# Altium PCB 4G_V4.0_5X4.PcbDoc (part 1 of 4) (continued)
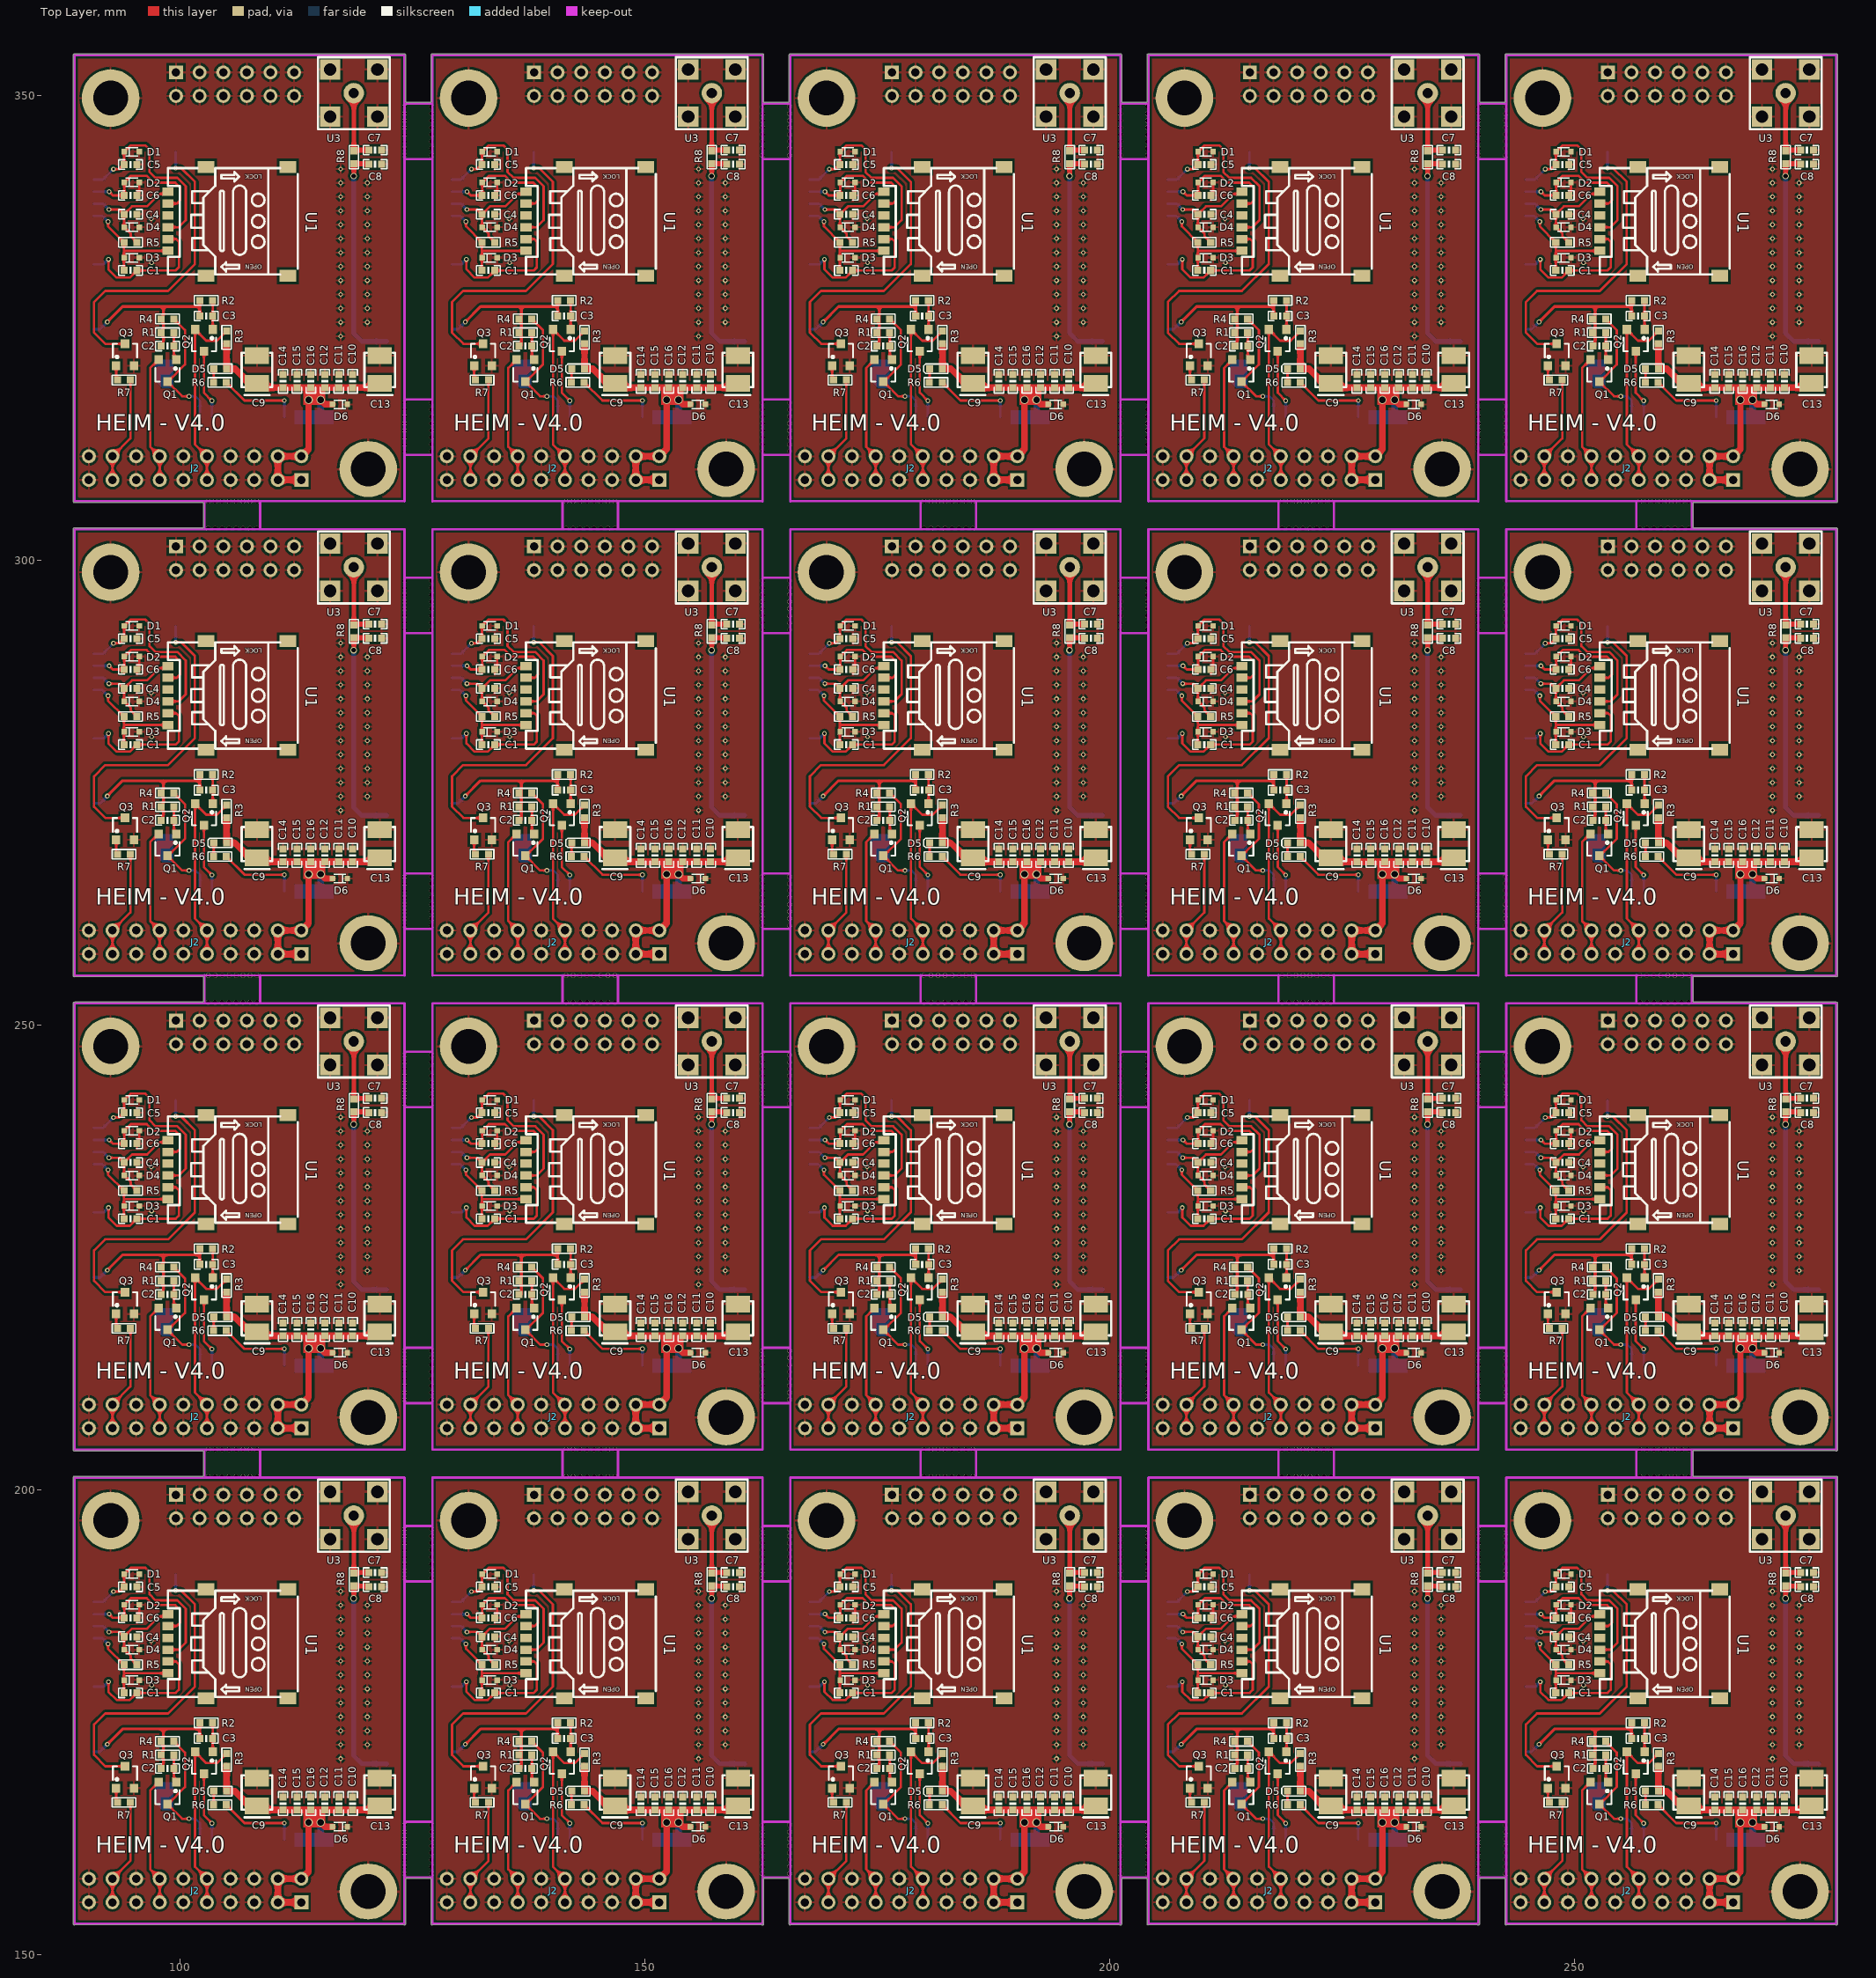
[diagram p0: Top Layer view]
## Components (designator, comment, footprint, x,y, rotation, side; value= is the part's Value field where it differs from the comment) (continued)
C13 "100UF/6.3V" CASE-B_3528 160.018,216.969 r270 top
C13 "100UF/6.3V" CASE-B_3528 198.518,216.969 r270 top
C13 "100UF/6.3V" CASE-B_3528 237.018,216.969 r270 top
C13 "100UF/6.3V" CASE-B_3528 275.518,216.969 r270 top
C13 "100UF/6.3V" CASE-B_3528 121.518,267.969 r270 top
C13 "100UF/6.3V" CASE-B_3528 160.018,267.969 r270 top
C13 "100UF/6.3V" CASE-B_3528 198.518,267.969 r270 top
C13 "100UF/6.3V" CASE-B_3528 237.018,267.969 r270 top
C13 "100UF/6.3V" CASE-B_3528 275.518,267.969 r270 top
C13 "100UF/6.3V" CASE-B_3528 121.518,318.969 r270 top
C13 "100UF/6.3V" CASE-B_3528 160.018,318.969 r270 top
C13 "100UF/6.3V" CASE-B_3528 198.518,318.969 r270 top
C13 "100UF/6.3V" CASE-B_3528 237.018,318.969 r270 top
C13 "100UF/6.3V" CASE-B_3528 275.518,318.969 r270 top
C14 "100NF/50V" 0603_C 111.104,166.223 r90 top
C14 "100NF/50V" 0603_C 149.604,166.223 r90 top
C14 "100NF/50V" 0603_C 188.104,166.223 r90 top
C14 "100NF/50V" 0603_C 226.604,166.223 r90 top
C14 "100NF/50V" 0603_C 265.104,166.223 r90 top
C14 "100NF/50V" 0603_C 111.104,217.223 r90 top
C14 "100NF/50V" 0603_C 149.604,217.223 r90 top
C14 "100NF/50V" 0603_C 188.104,217.223 r90 top
C14 "100NF/50V" 0603_C 226.604,217.223 r90 top
C14 "100NF/50V" 0603_C 265.104,217.223 r90 top
C14 "100NF/50V" 0603_C 111.104,268.223 r90 top
C14 "100NF/50V" 0603_C 149.604,268.223 r90 top
C14 "100NF/50V" 0603_C 188.104,268.223 r90 top
C14 "100NF/50V" 0603_C 226.604,268.223 r90 top
C14 "100NF/50V" 0603_C 265.104,268.223 r90 top
C14 "100NF/50V" 0603_C 111.104,319.223 r90 top
C14 "100NF/50V" 0603_C 149.604,319.223 r90 top
C14 "100NF/50V" 0603_C 188.104,319.223 r90 top
C14 "100NF/50V" 0603_C 226.604,319.223 r90 top
C14 "100NF/50V" 0603_C 265.104,319.223 r90 top
C15 "33PF/50V" 0603_C 112.602,166.223 r90 top
C15 "33PF/50V" 0603_C 151.102,166.223 r90 top
C15 "33PF/50V" 0603_C 189.602,166.223 r90 top
C15 "33PF/50V" 0603_C 228.102,166.223 r90 top
C15 "33PF/50V" 0603_C 266.602,166.223 r90 top
C15 "33PF/50V" 0603_C 112.602,217.223 r90 top
C15 "33PF/50V" 0603_C 151.102,217.223 r90 top
C15 "33PF/50V" 0603_C 189.602,217.223 r90 top
C15 "33PF/50V" 0603_C 228.102,217.223 r90 top
C15 "33PF/50V" 0603_C 266.602,217.223 r90 top
C15 "33PF/50V" 0603_C 112.602,268.223 r90 top
C15 "33PF/50V" 0603_C 151.102,268.223 r90 top
C15 "33PF/50V" 0603_C 189.602,268.223 r90 top
C15 "33PF/50V" 0603_C 228.102,268.223 r90 top
C15 "33PF/50V" 0603_C 266.602,268.223 r90 top
C15 "33PF/50V" 0603_C 112.602,319.223 r90 top
C15 "33PF/50V" 0603_C 151.102,319.223 r90 top
C15 "33PF/50V" 0603_C 189.602,319.223 r90 top
C15 "33PF/50V" 0603_C 228.102,319.223 r90 top
C15 "33PF/50V" 0603_C 266.602,319.223 r90 top
C16 "10PF/50V" 0603_C 114.101,166.223 r90 top
C16 "10PF/50V" 0603_C 152.601,166.223 r90 top
C16 "10PF/50V" 0603_C 191.101,166.223 r90 top
C16 "10PF/50V" 0603_C 229.601,166.223 r90 top
C16 "10PF/50V" 0603_C 268.101,166.223 r90 top
C16 "10PF/50V" 0603_C 114.101,217.223 r90 top
C16 "10PF/50V" 0603_C 152.601,217.223 r90 top
C16 "10PF/50V" 0603_C 191.101,217.223 r90 top
C16 "10PF/50V" 0603_C 229.601,217.223 r90 top
C16 "10PF/50V" 0603_C 268.101,217.223 r90 top
C16 "10PF/50V" 0603_C 114.101,268.223 r90 top
C16 "10PF/50V" 0603_C 152.601,268.223 r90 top
C16 "10PF/50V" 0603_C 191.101,268.223 r90 top
C16 "10PF/50V" 0603_C 229.601,268.223 r90 top
C16 "10PF/50V" 0603_C 268.101,268.223 r90 top
C16 "10PF/50V" 0603_C 114.101,319.223 r90 top
C16 "10PF/50V" 0603_C 152.601,319.223 r90 top
C16 "10PF/50V" 0603_C 191.101,319.223 r90 top
C16 "10PF/50V" 0603_C 229.601,319.223 r90 top
C16 "10PF/50V" 0603_C 268.101,319.223 r90 top
D1 "PESDNC5D5VB" SOD-523 94.84,190.912 r0 top
D1 "PESDNC5D5VB" SOD-523 133.34,190.912 r0 top
D1 "PESDNC5D5VB" SOD-523 171.84,190.912 r0 top
D1 "PESDNC5D5VB" SOD-523 210.34,190.912 r0 top
D1 "PESDNC5D5VB" SOD-523 248.84,190.912 r0 top
D1 "PESDNC5D5VB" SOD-523 94.84,241.912 r0 top
D1 "PESDNC5D5VB" SOD-523 133.34,241.912 r0 top
D1 "PESDNC5D5VB" SOD-523 171.84,241.912 r0 top
D1 "PESDNC5D5VB" SOD-523 210.34,241.912 r0 top
D1 "PESDNC5D5VB" SOD-523 248.84,241.912 r0 top
D1 "PESDNC5D5VB" SOD-523 94.84,292.912 r0 top
D1 "PESDNC5D5VB" SOD-523 133.34,292.912 r0 top
D1 "PESDNC5D5VB" SOD-523 171.84,292.912 r0 top
D1 "PESDNC5D5VB" SOD-523 210.34,292.912 r0 top
D1 "PESDNC5D5VB" SOD-523 248.84,292.912 r0 top
D1 "PESDNC5D5VB" SOD-523 94.84,343.912 r0 top
D1 "PESDNC5D5VB" SOD-523 133.34,343.912 r0 top
D1 "PESDNC5D5VB" SOD-523 171.84,343.912 r0 top
D1 "PESDNC5D5VB" SOD-523 210.34,343.912 r0 top
D1 "PESDNC5D5VB" SOD-523 248.84,343.912 r0 top
D2 "PESDNC5D5VB" SOD-523 94.84,187.61 r0 top
D2 "PESDNC5D5VB" SOD-523 133.34,187.61 r0 top
D2 "PESDNC5D5VB" SOD-523 171.84,187.61 r0 top
D2 "PESDNC5D5VB" SOD-523 210.34,187.61 r0 top
D2 "PESDNC5D5VB" SOD-523 248.84,187.61 r0 top
D2 "PESDNC5D5VB" SOD-523 94.84,238.61 r0 top
D2 "PESDNC5D5VB" SOD-523 133.34,238.61 r0 top
D2 "PESDNC5D5VB" SOD-523 171.84,238.61 r0 top
D2 "PESDNC5D5VB" SOD-523 210.34,238.61 r0 top
D2 "PESDNC5D5VB" SOD-523 248.84,238.61 r0 top
D2 "PESDNC5D5VB" SOD-523 94.84,289.61 r0 top
D2 "PESDNC5D5VB" SOD-523 133.34,289.61 r0 top
D2 "PESDNC5D5VB" SOD-523 171.84,289.61 r0 top
D2 "PESDNC5D5VB" SOD-523 210.34,289.61 r0 top
D2 "PESDNC5D5VB" SOD-523 248.84,289.61 r0 top
D2 "PESDNC5D5VB" SOD-523 94.84,340.61 r0 top
D2 "PESDNC5D5VB" SOD-523 133.34,340.61 r0 top
D2 "PESDNC5D5VB" SOD-523 171.84,340.61 r0 top
D2 "PESDNC5D5VB" SOD-523 210.34,340.61 r0 top
D2 "PESDNC5D5VB" SOD-523 248.84,340.61 r0 top
D3 "PESDNC5D5VB" SOD-523 94.84,179.507 r0 top
D3 "PESDNC5D5VB" SOD-523 133.34,179.507 r0 top
D3 "PESDNC5D5VB" SOD-523 171.84,179.507 r0 top
D3 "PESDNC5D5VB" SOD-523 210.34,179.507 r0 top
D3 "PESDNC5D5VB" SOD-523 248.84,179.507 r0 top
D3 "PESDNC5D5VB" SOD-523 94.84,230.507 r0 top
D3 "PESDNC5D5VB" SOD-523 133.34,230.507 r0 top
D3 "PESDNC5D5VB" SOD-523 171.84,230.507 r0 top
D3 "PESDNC5D5VB" SOD-523 210.34,230.507 r0 top
D3 "PESDNC5D5VB" SOD-523 248.84,230.507 r0 top
D3 "PESDNC5D5VB" SOD-523 94.84,281.507 r0 top
D3 "PESDNC5D5VB" SOD-523 133.34,281.507 r0 top
D3 "PESDNC5D5VB" SOD-523 171.84,281.507 r0 top
D3 "PESDNC5D5VB" SOD-523 210.34,281.507 r0 top
D3 "PESDNC5D5VB" SOD-523 248.84,281.507 r0 top
D3 "PESDNC5D5VB" SOD-523 94.84,332.507 r0 top
D3 "PESDNC5D5VB" SOD-523 133.34,332.507 r0 top
D3 "PESDNC5D5VB" SOD-523 171.84,332.507 r0 top
D3 "PESDNC5D5VB" SOD-523 210.34,332.507 r0 top
D3 "PESDNC5D5VB" SOD-523 248.84,332.507 r0 top
D4 "PESDNC5D5VB" SOD-523 94.84,182.784 r0 top
D4 "PESDNC5D5VB" SOD-523 133.34,182.784 r0 top
D4 "PESDNC5D5VB" SOD-523 171.84,182.784 r0 top
D4 "PESDNC5D5VB" SOD-523 210.34,182.784 r0 top
D4 "PESDNC5D5VB" SOD-523 248.84,182.784 r0 top
D4 "PESDNC5D5VB" SOD-523 94.84,233.784 r0 top
D4 "PESDNC5D5VB" SOD-523 133.34,233.784 r0 top
D4 "PESDNC5D5VB" SOD-523 171.84,233.784 r0 top
D4 "PESDNC5D5VB" SOD-523 210.34,233.784 r0 top
D4 "PESDNC5D5VB" SOD-523 248.84,233.784 r0 top
D4 "PESDNC5D5VB" SOD-523 94.84,284.784 r0 top
D4 "PESDNC5D5VB" SOD-523 133.34,284.784 r0 top
D4 "PESDNC5D5VB" SOD-523 171.84,284.784 r0 top
D4 "PESDNC5D5VB" SOD-523 210.34,284.784 r0 top
D4 "PESDNC5D5VB" SOD-523 248.84,284.784 r0 top
D4 "PESDNC5D5VB" SOD-523 94.84,335.784 r0 top
D4 "PESDNC5D5VB" SOD-523 133.34,335.784 r0 top
D4 "PESDNC5D5VB" SOD-523 171.84,335.784 r0 top
D4 "PESDNC5D5VB" SOD-523 210.34,335.784 r0 top
D4 "PESDNC5D5VB" SOD-523 248.84,335.784 r0 top
D5 "绿色" 0603_D 104.347,167.569 r180 top
D5 "绿色" 0603_D 142.847,167.569 r180 top
D5 "绿色" 0603_D 181.347,167.569 r180 top
D5 "绿色" 0603_D 219.847,167.569 r180 top
D5 "绿色" 0603_D 258.347,167.569 r180 top
D5 "绿色" 0603_D 104.347,218.569 r180 top
D5 "绿色" 0603_D 142.847,218.569 r180 top
D5 "绿色" 0603_D 181.347,218.569 r180 top
D5 "绿色" 0603_D 219.847,218.569 r180 top
D5 "绿色" 0603_D 258.347,218.569 r180 top
D5 "绿色" 0603_D 104.347,269.569 r180 top
D5 "绿色" 0603_D 142.847,269.569 r180 top
D5 "绿色" 0603_D 181.347,269.569 r180 top
D5 "绿色" 0603_D 219.847,269.569 r180 top
D5 "绿色" 0603_D 258.347,269.569 r180 top
D5 "绿色" 0603_D 104.347,320.569 r180 top
D5 "绿色" 0603_D 142.847,320.569 r180 top
D5 "绿色" 0603_D 181.347,320.569 r180 top
D5 "绿色" 0603_D 219.847,320.569 r180 top
D5 "绿色" 0603_D 258.347,320.569 r180 top
D6 "PESDNC5D5VB" SOD-523 117.225,163.734 r180 top
D6 "PESDNC5D5VB" SOD-523 155.725,163.734 r180 top
D6 "PESDNC5D5VB" SOD-523 194.225,163.734 r180 top
D6 "PESDNC5D5VB" SOD-523 232.725,163.734 r180 top
D6 "PESDNC5D5VB" SOD-523 271.225,163.734 r180 top
D6 "PESDNC5D5VB" SOD-523 117.225,214.734 r180 top
D6 "PESDNC5D5VB" SOD-523 155.725,214.734 r180 top
D6 "PESDNC5D5VB" SOD-523 194.225,214.734 r180 top
D6 "PESDNC5D5VB" SOD-523 232.725,214.734 r180 top
D6 "PESDNC5D5VB" SOD-523 271.225,214.734 r180 top
D6 "PESDNC5D5VB" SOD-523 117.225,265.734 r180 top
D6 "PESDNC5D5VB" SOD-523 155.725,265.734 r180 top
D6 "PESDNC5D5VB" SOD-523 194.225,265.734 r180 top
D6 "PESDNC5D5VB" SOD-523 232.725,265.734 r180 top
D6 "PESDNC5D5VB" SOD-523 271.225,265.734 r180 top
D6 "PESDNC5D5VB" SOD-523 117.225,316.734 r180 top
D6 "PESDNC5D5VB" SOD-523 155.725,316.734 r180 top
D6 "PESDNC5D5VB" SOD-523 194.225,316.734 r180 top
D6 "PESDNC5D5VB" SOD-523 232.725,316.734 r180 top
D6 "PESDNC5D5VB" SOD-523 271.225,316.734 r180 top
J1 "Header 6X2A" HDR2X6_CEN 99.597,199.446 r0 bottom locked
J1 "Header 6X2A" HDR2X6_CEN 138.097,199.446 r0 bottom locked
J1 "Header 6X2A" HDR2X6_CEN 176.597,199.446 r0 bottom locked
J1 "Header 6X2A" HDR2X6_CEN 215.097,199.446 r0 bottom locked
J1 "Header 6X2A" HDR2X6_CEN 253.597,199.446 r0 bottom locked
J1 "Header 6X2A" HDR2X6_CEN 99.597,250.446 r0 bottom locked
J1 "Header 6X2A" HDR2X6_CEN 138.097,250.446 r0 bottom locked
J1 "Header 6X2A" HDR2X6_CEN 176.597,250.446 r0 bottom locked
J1 "Header 6X2A" HDR2X6_CEN 215.097,250.446 r0 bottom locked
J1 "Header 6X2A" HDR2X6_CEN 253.597,250.446 r0 bottom locked
J1 "Header 6X2A" HDR2X6_CEN 99.597,301.446 r0 bottom locked
J1 "Header 6X2A" HDR2X6_CEN 138.097,301.446 r0 bottom locked
J1 "Header 6X2A" HDR2X6_CEN 176.597,301.446 r0 bottom locked
J1 "Header 6X2A" HDR2X6_CEN 215.097,301.446 r0 bottom locked
J1 "Header 6X2A" HDR2X6_CEN 253.597,301.446 r0 bottom locked
J1 "Header 6X2A" HDR2X6_CEN 99.597,352.446 r0 bottom locked
J1 "Header 6X2A" HDR2X6_CEN 138.097,352.446 r0 bottom locked
J1 "Header 6X2A" HDR2X6_CEN 176.597,352.446 r0 bottom locked
J1 "Header 6X2A" HDR2X6_CEN 215.097,352.446 r0 bottom locked
J1 "Header 6X2A" HDR2X6_CEN 253.597,352.446 r0 bottom locked
J2 "Header 10X2A" HDR2X10_CEN 113.085,155.606 r180 top locked
J2 "Header 10X2A" HDR2X10_CEN 151.585,155.606 r180 top locked
J2 "Header 10X2A" HDR2X10_CEN 190.085,155.606 r180 top locked
J2 "Header 10X2A" HDR2X10_CEN 228.585,155.606 r180 top locked
J2 "Header 10X2A" HDR2X10_CEN 267.085,155.606 r180 top locked
J2 "Header 10X2A" HDR2X10_CEN 113.085,206.606 r180 top locked
J2 "Header 10X2A" HDR2X10_CEN 151.585,206.606 r180 top locked
J2 "Header 10X2A" HDR2X10_CEN 190.085,206.606 r180 top locked
J2 "Header 10X2A" HDR2X10_CEN 228.585,206.606 r180 top locked
J2 "Header 10X2A" HDR2X10_CEN 267.085,206.606 r180 top locked
J2 "Header 10X2A" HDR2X10_CEN 113.085,257.606 r180 top locked
J2 "Header 10X2A" HDR2X10_CEN 151.585,257.606 r180 top locked
J2 "Header 10X2A" HDR2X10_CEN 190.085,257.606 r180 top locked
J2 "Header 10X2A" HDR2X10_CEN 228.585,257.606 r180 top locked
J2 "Header 10X2A" HDR2X10_CEN 267.085,257.606 r180 top locked
J2 "Header 10X2A" HDR2X10_CEN 113.085,308.606 r180 top locked
J2 "Header 10X2A" HDR2X10_CEN 151.585,308.606 r180 top locked
J2 "Header 10X2A" HDR2X10_CEN 190.085,308.606 r180 top locked
J2 "Header 10X2A" HDR2X10_CEN 228.585,308.606 r180 top locked
J2 "Header 10X2A" HDR2X10_CEN 267.085,308.606 r180 top locked
Q1 "BC817-40" SOT-23-3 98.673,167.36 r180 top
Q1 "BC817-40" SOT-23-3 137.173,167.36 r180 top
Q1 "BC817-40" SOT-23-3 175.673,167.36 r180 top
Q1 "BC817-40" SOT-23-3 214.173,167.36 r180 top
Q1 "BC817-40" SOT-23-3 252.673,167.36 r180 top
Q1 "BC817-40" SOT-23-3 98.673,218.36 r180 top
Q1 "BC817-40" SOT-23-3 137.173,218.36 r180 top
Q1 "BC817-40" SOT-23-3 175.673,218.36 r180 top
Q1 "BC817-40" SOT-23-3 214.173,218.36 r180 top
Q1 "BC817-40" SOT-23-3 252.673,218.36 r180 top
Q1 "BC817-40" SOT-23-3 98.673,269.36 r180 top
Q1 "BC817-40" SOT-23-3 137.173,269.36 r180 top
Q1 "BC817-40" SOT-23-3 175.673,269.36 r180 top
Q1 "BC817-40" SOT-23-3 214.173,269.36 r180 top
Q1 "BC817-40" SOT-23-3 252.673,269.36 r180 top
Q1 "BC817-40" SOT-23-3 98.673,320.36 r180 top
Q1 "BC817-40" SOT-23-3 137.173,320.36 r180 top
Q1 "BC817-40" SOT-23-3 175.673,320.36 r180 top
Q1 "BC817-40" SOT-23-3 214.173,320.36 r180 top
Q1 "BC817-40" SOT-23-3 252.673,320.36 r180 top
Q2 "BC817-40" SOT-23-3 102.595,170.617 r180 top
Q2 "BC817-40" SOT-23-3 141.095,170.617 r180 top
Q2 "BC817-40" SOT-23-3 179.595,170.617 r180 top
Q2 "BC817-40" SOT-23-3 218.095,170.617 r180 top
Q2 "BC817-40" SOT-23-3 256.595,170.617 r180 top
Q2 "BC817-40" SOT-23-3 102.595,221.617 r180 top
Q2 "BC817-40" SOT-23-3 141.095,221.617 r180 top
Q2 "BC817-40" SOT-23-3 179.595,221.617 r180 top
Q2 "BC817-40" SOT-23-3 218.095,221.617 r180 top
Q2 "BC817-40" SOT-23-3 256.595,221.617 r180 top
Q2 "BC817-40" SOT-23-3 102.595,272.617 r180 top
Q2 "BC817-40" SOT-23-3 141.095,272.617 r180 top
Q2 "BC817-40" SOT-23-3 179.595,272.617 r180 top
Q2 "BC817-40" SOT-23-3 218.095,272.617 r180 top
Q2 "BC817-40" SOT-23-3 256.595,272.617 r180 top
Q2 "BC817-40" SOT-23-3 102.595,323.617 r180 top
Q2 "BC817-40" SOT-23-3 141.095,323.617 r180 top
Q2 "BC817-40" SOT-23-3 179.595,323.617 r180 top
Q2 "BC817-40" SOT-23-3 218.095,323.617 r180 top
Q2 "BC817-40" SOT-23-3 256.595,323.617 r180 top
Q3 "BC817-40" SOT-23-3 94.111,169.068 r0 top
Q3 "BC817-40" SOT-23-3 132.611,169.068 r0 top
Q3 "BC817-40" SOT-23-3 171.111,169.068 r0 top
Q3 "BC817-40" SOT-23-3 209.611,169.068 r0 top
Q3 "BC817-40" SOT-23-3 248.111,169.068 r0 top
Q3 "BC817-40" SOT-23-3 94.111,220.068 r0 top
Q3 "BC817-40" SOT-23-3 132.611,220.068 r0 top
Q3 "BC817-40" SOT-23-3 171.111,220.068 r0 top
Q3 "BC817-40" SOT-23-3 209.611,220.068 r0 top
Q3 "BC817-40" SOT-23-3 248.111,220.068 r0 top
Q3 "BC817-40" SOT-23-3 94.111,271.068 r0 top
Q3 "BC817-40" SOT-23-3 132.611,271.068 r0 top
Q3 "BC817-40" SOT-23-3 171.111,271.068 r0 top
Q3 "BC817-40" SOT-23-3 209.611,271.068 r0 top
Q3 "BC817-40" SOT-23-3 248.111,271.068 r0 top
Q3 "BC817-40" SOT-23-3 94.111,322.068 r0 top
Q3 "BC817-40" SOT-23-3 132.611,322.068 r0 top
Q3 "BC817-40" SOT-23-3 171.111,322.068 r0 top
Q3 "BC817-40" SOT-23-3 209.611,322.068 r0 top
Q3 "BC817-40" SOT-23-3 248.111,322.068 r0 top
R1 "10KΩ/1%" 0603_R 98.673,171.449 r180 top
R1 "10KΩ/1%" 0603_R 137.173,171.449 r180 top
R1 "10KΩ/1%" 0603_R 175.673,171.449 r180 top
R1 "10KΩ/1%" 0603_R 214.173,171.449 r180 top
R1 "10KΩ/1%" 0603_R 252.673,171.449 r180 top
R1 "10KΩ/1%" 0603_R 98.673,222.449 r180 top
R1 "10KΩ/1%" 0603_R 137.173,222.449 r180 top
R1 "10KΩ/1%" 0603_R 175.673,222.449 r180 top
R1 "10KΩ/1%" 0603_R 214.173,222.449 r180 top
R1 "10KΩ/1%" 0603_R 252.673,222.449 r180 top
R1 "10KΩ/1%" 0603_R 98.673,273.449 r180 top
R1 "10KΩ/1%" 0603_R 137.173,273.449 r180 top
R1 "10KΩ/1%" 0603_R 175.673,273.449 r180 top
R1 "10KΩ/1%" 0603_R 214.173,273.449 r180 top
R1 "10KΩ/1%" 0603_R 252.673,273.449 r180 top
R1 "10KΩ/1%" 0603_R 98.673,324.449 r180 top
R1 "10KΩ/1%" 0603_R 137.173,324.449 r180 top
R1 "10KΩ/1%" 0603_R 175.673,324.449 r180 top
R1 "10KΩ/1%" 0603_R 214.173,324.449 r180 top
R1 "10KΩ/1%" 0603_R 252.673,324.449 r180 top
R2 "10KΩ/1%" 0603_R 102.849,174.91 r180 top
R2 "10KΩ/1%" 0603_R 141.349,174.91 r180 top
R2 "10KΩ/1%" 0603_R 179.849,174.91 r180 top
R2 "10KΩ/1%" 0603_R 218.349,174.91 r180 top
R2 "10KΩ/1%" 0603_R 256.849,174.91 r180 top
R2 "10KΩ/1%" 0603_R 102.849,225.91 r180 top
R2 "10KΩ/1%" 0603_R 141.349,225.91 r180 top
R2 "10KΩ/1%" 0603_R 179.849,225.91 r180 top
R2 "10KΩ/1%" 0603_R 218.349,225.91 r180 top
R2 "10KΩ/1%" 0603_R 256.849,225.91 r180 top
R2 "10KΩ/1%" 0603_R 102.849,276.91 r180 top
R2 "10KΩ/1%" 0603_R 141.349,276.91 r180 top
R2 "10KΩ/1%" 0603_R 179.849,276.91 r180 top
R2 "10KΩ/1%" 0603_R 218.349,276.91 r180 top
R2 "10KΩ/1%" 0603_R 256.849,276.91 r180 top
R2 "10KΩ/1%" 0603_R 102.849,327.91 r180 top
R2 "10KΩ/1%" 0603_R 141.349,327.91 r180 top
R2 "10KΩ/1%" 0603_R 179.849,327.91 r180 top
R2 "10KΩ/1%" 0603_R 218.349,327.91 r180 top
R2 "10KΩ/1%" 0603_R 256.849,327.91 r180 top
R3 "10KΩ/1%" 0603_R 105.033,170.948 r270 top
R3 "10KΩ/1%" 0603_R 143.533,170.948 r270 top
R3 "10KΩ/1%" 0603_R 182.033,170.948 r270 top
R3 "10KΩ/1%" 0603_R 220.533,170.948 r270 top
R3 "10KΩ/1%" 0603_R 259.033,170.948 r270 top
R3 "10KΩ/1%" 0603_R 105.033,221.948 r270 top
R3 "10KΩ/1%" 0603_R 143.533,221.948 r270 top
R3 "10KΩ/1%" 0603_R 182.033,221.948 r270 top
R3 "10KΩ/1%" 0603_R 220.533,221.948 r270 top
R3 "10KΩ/1%" 0603_R 259.033,221.948 r270 top
R3 "10KΩ/1%" 0603_R 105.033,272.948 r270 top
R3 "10KΩ/1%" 0603_R 143.533,272.948 r270 top
R3 "10KΩ/1%" 0603_R 182.033,272.948 r270 top
R3 "10KΩ/1%" 0603_R 220.533,272.948 r270 top
R3 "10KΩ/1%" 0603_R 259.033,272.948 r270 top
R3 "10KΩ/1%" 0603_R 105.033,323.948 r270 top
R3 "10KΩ/1%" 0603_R 143.533,323.948 r270 top
R3 "10KΩ/1%" 0603_R 182.033,323.948 r270 top
R3 "10KΩ/1%" 0603_R 220.533,323.948 r270 top
R3 "10KΩ/1%" 0603_R 259.033,323.948 r270 top
R4 "10KΩ/1%" 0603_R 98.673,172.922 r180 top
R4 "10KΩ/1%" 0603_R 137.173,172.922 r180 top
R4 "10KΩ/1%" 0603_R 175.673,172.922 r180 top
R4 "10KΩ/1%" 0603_R 214.173,172.922 r180 top
R4 "10KΩ/1%" 0603_R 252.673,172.922 r180 top
R4 "10KΩ/1%" 0603_R 98.673,223.922 r180 top
R4 "10KΩ/1%" 0603_R 137.173,223.922 r180 top
R4 "10KΩ/1%" 0603_R 175.673,223.922 r180 top
R4 "10KΩ/1%" 0603_R 214.173,223.922 r180 top
R4 "10KΩ/1%" 0603_R 252.673,223.922 r180 top
R4 "10KΩ/1%" 0603_R 98.673,274.922 r180 top
R4 "10KΩ/1%" 0603_R 137.173,274.922 r180 top
R4 "10KΩ/1%" 0603_R 175.673,274.922 r180 top
R4 "10KΩ/1%" 0603_R 214.173,274.922 r180 top
R4 "10KΩ/1%" 0603_R 252.673,274.922 r180 top
R4 "10KΩ/1%" 0603_R 98.673,325.922 r180 top
R4 "10KΩ/1%" 0603_R 137.173,325.922 r180 top
R4 "10KΩ/1%" 0603_R 175.673,325.922 r180 top
R4 "10KΩ/1%" 0603_R 214.173,325.922 r180 top
R4 "10KΩ/1%" 0603_R 252.673,325.922 r180 top
R5 "15K" 0603_R 94.695,181.158 r180 top
R5 "15K" 0603_R 133.195,181.158 r180 top
R5 "15K" 0603_R 171.695,181.158 r180 top
R5 "15K" 0603_R 210.195,181.158 r180 top
R5 "15K" 0603_R 248.695,181.158 r180 top
R5 "15K" 0603_R 94.695,232.158 r180 top
R5 "15K" 0603_R 133.195,232.158 r180 top
R5 "15K" 0603_R 171.695,232.158 r180 top
R5 "15K" 0603_R 210.195,232.158 r180 top
R5 "15K" 0603_R 248.695,232.158 r180 top
R5 "15K" 0603_R 94.695,283.158 r180 top
R5 "15K" 0603_R 133.195,283.158 r180 top
R5 "15K" 0603_R 171.695,283.158 r180 top
R5 "15K" 0603_R 210.195,283.158 r180 top
R5 "15K" 0603_R 248.695,283.158 r180 top
R5 "15K" 0603_R 94.695,334.158 r180 top
R5 "15K" 0603_R 133.195,334.158 r180 top
R5 "15K" 0603_R 171.695,334.158 r180 top
R5 "15K" 0603_R 210.195,334.158 r180 top
R5 "15K" 0603_R 248.695,334.158 r180 top
R6 "470Ω/1%" 0603_R 104.322,166.096 r180 top
R6 "470Ω/1%" 0603_R 142.822,166.096 r180 top
R6 "470Ω/1%" 0603_R 181.322,166.096 r180 top
R6 "470Ω/1%" 0603_R 219.822,166.096 r180 top
R6 "470Ω/1%" 0603_R 258.322,166.096 r180 top
R6 "470Ω/1%" 0603_R 104.322,217.096 r180 top
R6 "470Ω/1%" 0603_R 142.822,217.096 r180 top
R6 "470Ω/1%" 0603_R 181.322,217.096 r180 top
R6 "470Ω/1%" 0603_R 219.822,217.096 r180 top
R6 "470Ω/1%" 0603_R 258.322,217.096 r180 top
R6 "470Ω/1%" 0603_R 104.322,268.096 r180 top
R6 "470Ω/1%" 0603_R 142.822,268.096 r180 top
R6 "470Ω/1%" 0603_R 181.322,268.096 r180 top
R6 "470Ω/1%" 0603_R 219.822,268.096 r180 top
R6 "470Ω/1%" 0603_R 258.322,268.096 r180 top
R6 "470Ω/1%" 0603_R 104.322,319.096 r180 top
R6 "470Ω/1%" 0603_R 142.822,319.096 r180 top
R6 "470Ω/1%" 0603_R 181.322,319.096 r180 top
R6 "470Ω/1%" 0603_R 219.822,319.096 r180 top
R6 "470Ω/1%" 0603_R 258.322,319.096 r180 top
R7 "4.7KΩ/1%" 0603_R 94.009,166.35 r180 top
R7 "4.7KΩ/1%" 0603_R 132.509,166.35 r180 top
R7 "4.7KΩ/1%" 0603_R 171.009,166.35 r180 top
R7 "4.7KΩ/1%" 0603_R 209.509,166.35 r180 top
R7 "4.7KΩ/1%" 0603_R 248.009,166.35 r180 top
R7 "4.7KΩ/1%" 0603_R 94.009,217.35 r180 top
R7 "4.7KΩ/1%" 0603_R 132.509,217.35 r180 top
R7 "4.7KΩ/1%" 0603_R 171.009,217.35 r180 top
R7 "4.7KΩ/1%" 0603_R 209.509,217.35 r180 top
R7 "4.7KΩ/1%" 0603_R 248.009,217.35 r180 top
R7 "4.7KΩ/1%" 0603_R 94.009,268.35 r180 top
R7 "4.7KΩ/1%" 0603_R 132.509,268.35 r180 top
R7 "4.7KΩ/1%" 0603_R 171.009,268.35 r180 top
R7 "4.7KΩ/1%" 0603_R 209.509,268.35 r180 top
R7 "4.7KΩ/1%" 0603_R 248.009,268.35 r180 top
R7 "4.7KΩ/1%" 0603_R 94.009,319.35 r180 top
R7 "4.7KΩ/1%" 0603_R 132.509,319.35 r180 top
R7 "4.7KΩ/1%" 0603_R 171.009,319.35 r180 top
R7 "4.7KΩ/1%" 0603_R 209.509,319.35 r180 top
R7 "4.7KΩ/1%" 0603_R 248.009,319.35 r180 top
R8 "0Ω" 0603_R 118.724,190.328 r270 top
R8 "0Ω" 0603_R 157.224,190.328 r270 top
R8 "0Ω" 0603_R 195.724,190.328 r270 top
R8 "0Ω" 0603_R 234.224,190.328 r270 top
R8 "0Ω" 0603_R 272.724,190.328 r270 top
R8 "0Ω" 0603_R 118.724,241.328 r270 top
R8 "0Ω" 0603_R 157.224,241.328 r270 top
R8 "0Ω" 0603_R 195.724,241.328 r270 top
R8 "0Ω" 0603_R 234.224,241.328 r270 top
R8 "0Ω" 0603_R 272.724,241.328 r270 top
R8 "0Ω" 0603_R 118.724,292.328 r270 top
R8 "0Ω" 0603_R 157.224,292.328 r270 top
R8 "0Ω" 0603_R 195.724,292.328 r270 top
R8 "0Ω" 0603_R 234.224,292.328 r270 top
R8 "0Ω" 0603_R 272.724,292.328 r270 top
R8 "0Ω" 0603_R 118.724,343.328 r270 top
R8 "0Ω" 0603_R 157.224,343.328 r270 top
R8 "0Ω" 0603_R 195.724,343.328 r270 top
R8 "0Ω" 0603_R 234.224,343.328 r270 top
R8 "0Ω" 0603_R 272.724,343.328 r270 top
U1 "SIM卡座" SIM卡座-NANO掀盖式 105.185,183.419 r180 top
U1 "SIM卡座" SIM卡座-NANO掀盖式 143.685,183.419 r180 top
U1 "SIM卡座" SIM卡座-NANO掀盖式 182.185,183.419 r180 top
U1 "SIM卡座" SIM卡座-NANO掀盖式 220.685,183.419 r180 top
U1 "SIM卡座" SIM卡座-NANO掀盖式 259.185,183.419 r180 top
U1 "SIM卡座" SIM卡座-NANO掀盖式 105.185,234.419 r180 top
U1 "SIM卡座" SIM卡座-NANO掀盖式 143.685,234.419 r180 top
U1 "SIM卡座" SIM卡座-NANO掀盖式 182.185,234.419 r180 top
U1 "SIM卡座" SIM卡座-NANO掀盖式 220.685,234.419 r180 top
U1 "SIM卡座" SIM卡座-NANO掀盖式 259.185,234.419 r180 top
U1 "SIM卡座" SIM卡座-NANO掀盖式 105.185,285.419 r180 top
U1 "SIM卡座" SIM卡座-NANO掀盖式 143.685,285.419 r180 top
U1 "SIM卡座" SIM卡座-NANO掀盖式 182.185,285.419 r180 top
U1 "SIM卡座" SIM卡座-NANO掀盖式 220.685,285.419 r180 top
U1 "SIM卡座" SIM卡座-NANO掀盖式 259.185,285.419 r180 top
U1 "SIM卡座" SIM卡座-NANO掀盖式 105.185,336.419 r180 top
U1 "SIM卡座" SIM卡座-NANO掀盖式 143.685,336.419 r180 top
U1 "SIM卡座" SIM卡座-NANO掀盖式 182.185,336.419 r180 top
U1 "SIM卡座" SIM卡座-NANO掀盖式 220.685,336.419 r180 top
U1 "SIM卡座" SIM卡座-NANO掀盖式 259.185,336.419 r180 top
U2 "EC20 R2.0" EC20_R2.0 106.506,176.612 r0 bottom
U2 "EC20 R2.0" EC20_R2.0 145.006,176.612 r0 bottom
U2 "EC20 R2.0" EC20_R2.0 183.506,176.612 r0 bottom
U2 "EC20 R2.0" EC20_R2.0 222.006,176.612 r0 bottom
U2 "EC20 R2.0" EC20_R2.0 260.506,176.612 r0 bottom
U2 "EC20 R2.0" EC20_R2.0 106.506,227.612 r0 bottom
U2 "EC20 R2.0" EC20_R2.0 145.006,227.612 r0 bottom
U2 "EC20 R2.0" EC20_R2.0 183.506,227.612 r0 bottom
U2 "EC20 R2.0" EC20_R2.0 222.006,227.612 r0 bottom
U2 "EC20 R2.0" EC20_R2.0 260.506,227.612 r0 bottom
U2 "EC20 R2.0" EC20_R2.0 106.506,278.612 r0 bottom
U2 "EC20 R2.0" EC20_R2.0 145.006,278.612 r0 bottom
U2 "EC20 R2.0" EC20_R2.0 183.506,278.612 r0 bottom
U2 "EC20 R2.0" EC20_R2.0 222.006,278.612 r0 bottom
U2 "EC20 R2.0" EC20_R2.0 260.506,278.612 r0 bottom
U2 "EC20 R2.0" EC20_R2.0 106.506,329.612 r0 bottom
U2 "EC20 R2.0" EC20_R2.0 145.006,329.612 r0 bottom
U2 "EC20 R2.0" EC20_R2.0 183.506,329.612 r0 bottom
U2 "EC20 R2.0" EC20_R2.0 222.006,329.612 r0 bottom
U2 "EC20 R2.0" EC20_R2.0 260.506,329.612 r0 bottom
U3 "ANT" SMA-KWE/弯头 116.184,194.671 r0 top
U3 "ANT" SMA-KWE/弯头 154.684,194.671 r0 top
U3 "ANT" SMA-KWE/弯头 193.184,194.671 r0 top
U3 "ANT" SMA-KWE/弯头 231.684,194.671 r0 top
U3 "ANT" SMA-KWE/弯头 270.184,194.671 r0 top
U3 "ANT" SMA-KWE/弯头 116.184,245.671 r0 top
U3 "ANT" SMA-KWE/弯头 154.684,245.671 r0 top
U3 "ANT" SMA-KWE/弯头 193.184,245.671 r0 top
U3 "ANT" SMA-KWE/弯头 231.684,245.671 r0 top
U3 "ANT" SMA-KWE/弯头 270.184,245.671 r0 top
U3 "ANT" SMA-KWE/弯头 116.184,296.671 r0 top
U3 "ANT" SMA-KWE/弯头 154.684,296.671 r0 top
U3 "ANT" SMA-KWE/弯头 193.184,296.671 r0 top
U3 "ANT" SMA-KWE/弯头 231.684,296.671 r0 top
U3 "ANT" SMA-KWE/弯头 270.184,296.671 r0 top
U3 "ANT" SMA-KWE/弯头 116.184,347.671 r0 top
U3 "ANT" SMA-KWE/弯头 154.684,347.671 r0 top
U3 "ANT" SMA-KWE/弯头 193.184,347.671 r0 top
U3 "ANT" SMA-KWE/弯头 231.684,347.671 r0 top
U3 "ANT" SMA-KWE/弯头 270.184,347.671 r0 top

## Footprints (in the part's own frame and the unit in brackets; to place one, negate y for a bottom-side part, rotate by r counter-clockwise, add the part's x,y. Pads: shape width x height; smd on the part's side, far side on the other; paste and mask are expansions set on the pad)
0603_C [mil] "电容"
  rect 30x30 smd: 1(-27,0) 2(27.5,-0.06)
  silkscreen extent -50,-20 50,20
0603_D [mil] "贴片发光二极管"
  rect 30x30 smd: 1(-27,0) 2(27.5,-0.06)
  silkscreen extent -50,-20 52,20
0603_R [mil] "电阻"
  rect 30x30 smd: 1(-27,0) 2(27.5,-0.06)
  silkscreen extent -50,-20 50,20
CASE-B_3528 [mm]
  rect 1.8x2.6 smd: 1(0,0) 2(-3.002,0)
  silkscreen extent -3.3,-1.65 1.23,1.65
EC20_R2.0 [mm] "移远通信4G模块"
  oval 2.5x0.8 smd: 1(-15.75,12.6) 2(-15.75,11.3) 3(-15.75,10) 4(-15.75,8.7) 5(-15.75,7.4) 6(-15.75,6.1) 7(-15.75,4.8) 8(-15.75,0.4) 9(-15.75,-0.9) 10(-15.75,-2.2) 11(-15.75,-3.5) 12(-15.75,-4.8) 13(-15.75,-6.1) 14(-15.75,-7.4) 15(-15.75,-8.7) 16(-15.75,-10) 17(-15.75,-11.3) 18(-15.75,-12.6) 37(15.75,-12.6) 38(15.75,-11.3) 39(15.75,-10) 40(15.75,-8.7) 41(15.75,-7.4) 42(15.75,-6.1) 43(15.75,-4.8) 44(15.75,-3.5) 45(15.75,-2.2) 46(15.75,-0.9) 47(15.75,0.4) 48(15.75,4.8) 49(15.75,6.1) 50(15.75,7.4) 51(15.75,8.7) 52(15.75,10) 53(15.75,11.3) 54(15.75,12.6) 141(-15.75,3) 142(-15.75,1.7) 143(15.75,1.7) 144(15.75,3)
  oval 0.8x2.5 smd: 19(-9.55,-14.25) 20(-8.25,-14.25) 21(-6.95,-14.25) 22(-5.65,-14.25) 23(-4.35,-14.25) 24(-3.05,-14.25) 25(-1.75,-14.25) 26(-0.45,-14.25) 27(0.85,-14.25) 28(2.15,-14.25) 29(3.45,-14.25) 30(4.75,-14.25) 31(6.05,-14.25) 32(7.35,-14.25) 33(8.65,-14.25) 34(9.95,-14.25) 35(11.25,-14.25) 36(12.55,-14.25) 55(12.55,14.25) 56(11.25,14.25) 57(9.95,14.25) 58(8.65,14.25) 59(7.35,14.25) 60(6.05,14.25) 61(4.75,14.25) 62(3.45,14.25) 63(2.15,14.25) 64(0.85,14.25) 65(-0.45,14.25) 66(-1.75,14.25) 67(-3.05,14.25) 68(-4.35,14.25) 69(-5.65,14.25) 70(-6.95,14.25) 71(-8.25,14.25) 72(-9.55,14.25) 113(-10.85,14.25) 114(-12.15,14.25) 115(-10.85,-14.25) 116(-12.15,-14.25)
  rect 2x3 smd: 85(8.2,9.6) 86(8.2,4.8) 87(8.2,0) 88(8.2,-4.8) 89(8.2,-9.6) 90(5,9.6) 91(5,4.8) 92(5,0) 93(5,-4.8) 94(5,-9.6) 95(1.6,9.6) 96(1.6,4.8) 97(1.6,-4.8) 98(1.6,-9.6) 99(-1.6,9.6) 100(-1.6,4.8) 101(-1.6,-4.8) 102(-1.6,-9.6) 103(-5,9.6) 104(-5,4.8) 105(-5,0) 106(-5,-4.8) 107(-5,-9.6) 109(-8.2,4.8) 110(-8.2,0) 111(-8.2,-4.8) 112(-8.2,-9.6)
  rect 1x2 smd: 108(-8.2,9.6)
  rect 1.1x1.1 smd: 117(-11,11) 118(-11,9) 119(-11,7) 120(-11,5) 121(-11,3) 122(-11,1) 123(-11,-1) 124(-11,-3) 125(-11,-5) 126(-11,-7) 127(-11,-9) 128(-11,-11) 129(-13,11) 130(-13,9) 131(-13,7) 132(-13,5) 133(-13,3) 134(-13,1) 135(-13,-1) 136(-13,-3) 137(-13,-5) 138(-13,-7) 139(-13,-9) 140(-13,-11)
  Top Layer pour cut-out: 3.5,2.8 -3.5,2.8 -3.5,-2.8 3.5,-2.8
  Top Layer region: -9.2,10.3 -8.4,11.1 -7.2,11.1 -7.2,8.1 -9.2,8.1
  silkscreen extent -16,-14.5 16,14.5
HDR2X6_CEN [mm] "Connector; Header; 6x2 Position"
  rect 1.5x1.5 hole 0.9: 1(0,0)
  round 1.5 hole 0.9: 2(2.54,0) 3(5.08,0) 4(7.62,0) 5(10.16,0) 6(12.7,0) 7(0,2.54) 8(2.54,2.54) 9(5.08,2.54) 10(7.62,2.54) 11(10.16,2.54) 12(12.7,2.54)
  silkscreen extent -1.27,-1.27 13.97,3.81
HDR2X10_CEN [mm] "Connector; Header; 10x2 Position"
  rect 1.5x1.5 hole 0.9: 1(0,0)
  round 1.5 hole 0.9: 2(2.54,0) 3(5.08,0) 4(7.62,0) 5(10.16,0) 6(12.7,0) 7(15.24,0) 8(17.78,0) 9(20.32,0) 10(22.86,0) 11(0,-2.54) 12(2.54,-2.54) 13(5.08,-2.54) 14(7.62,-2.54) 15(10.16,-2.54) 16(12.7,-2.54) 17(15.24,-2.54) 18(17.78,-2.54) 19(20.32,-2.54) 20(22.86,-2.54)
SIM卡座-NANO掀盖式 [mm]
  rect 1.8x1.3 smd: 0(-6.451,5.853) 0(-6.451,-5.853) 0(2.349,5.853) 0(2.349,-5.853)
  rect 1.2x0.9 smd: 1(6.451,3.173) 2(6.451,0.633) 3(6.451,-1.907) 4(6.451,1.903) 5(6.451,-0.637) 6(6.451,-3.177)
  silkscreen extent -7.52,-5.72 6.45,5.72
SMA-KWE/弯头 [mm] "总长14.5mm/牙长8.5mm"
  rect 2.2x2.2 hole 1.35: 0(0,0) 0(0,5.08) 0(5.08,0) 0(5.08,5.08)
  round 2.2 hole 1.1: 1(2.54,2.54)
  silkscreen extent -1.32,-1.35 6.4,6.4
SOD-523 [mm]
  rect 0.6x0.6 smd: 1(-0.8,0) 2(0.8,0)
  silkscreen extent -0.65,-0.45 0.65,0.45
SOT-23-3 [mm]
  rect 0.9x0.95 smd: 1(-0.95,-1.175) 2(0.95,-1.175) 3(0,1.175)
  silkscreen extent -1.3,-0.35 1.3,1.18